# Altium PCB CM_PCB.PcbDoc (part 3 of 7) (continued)
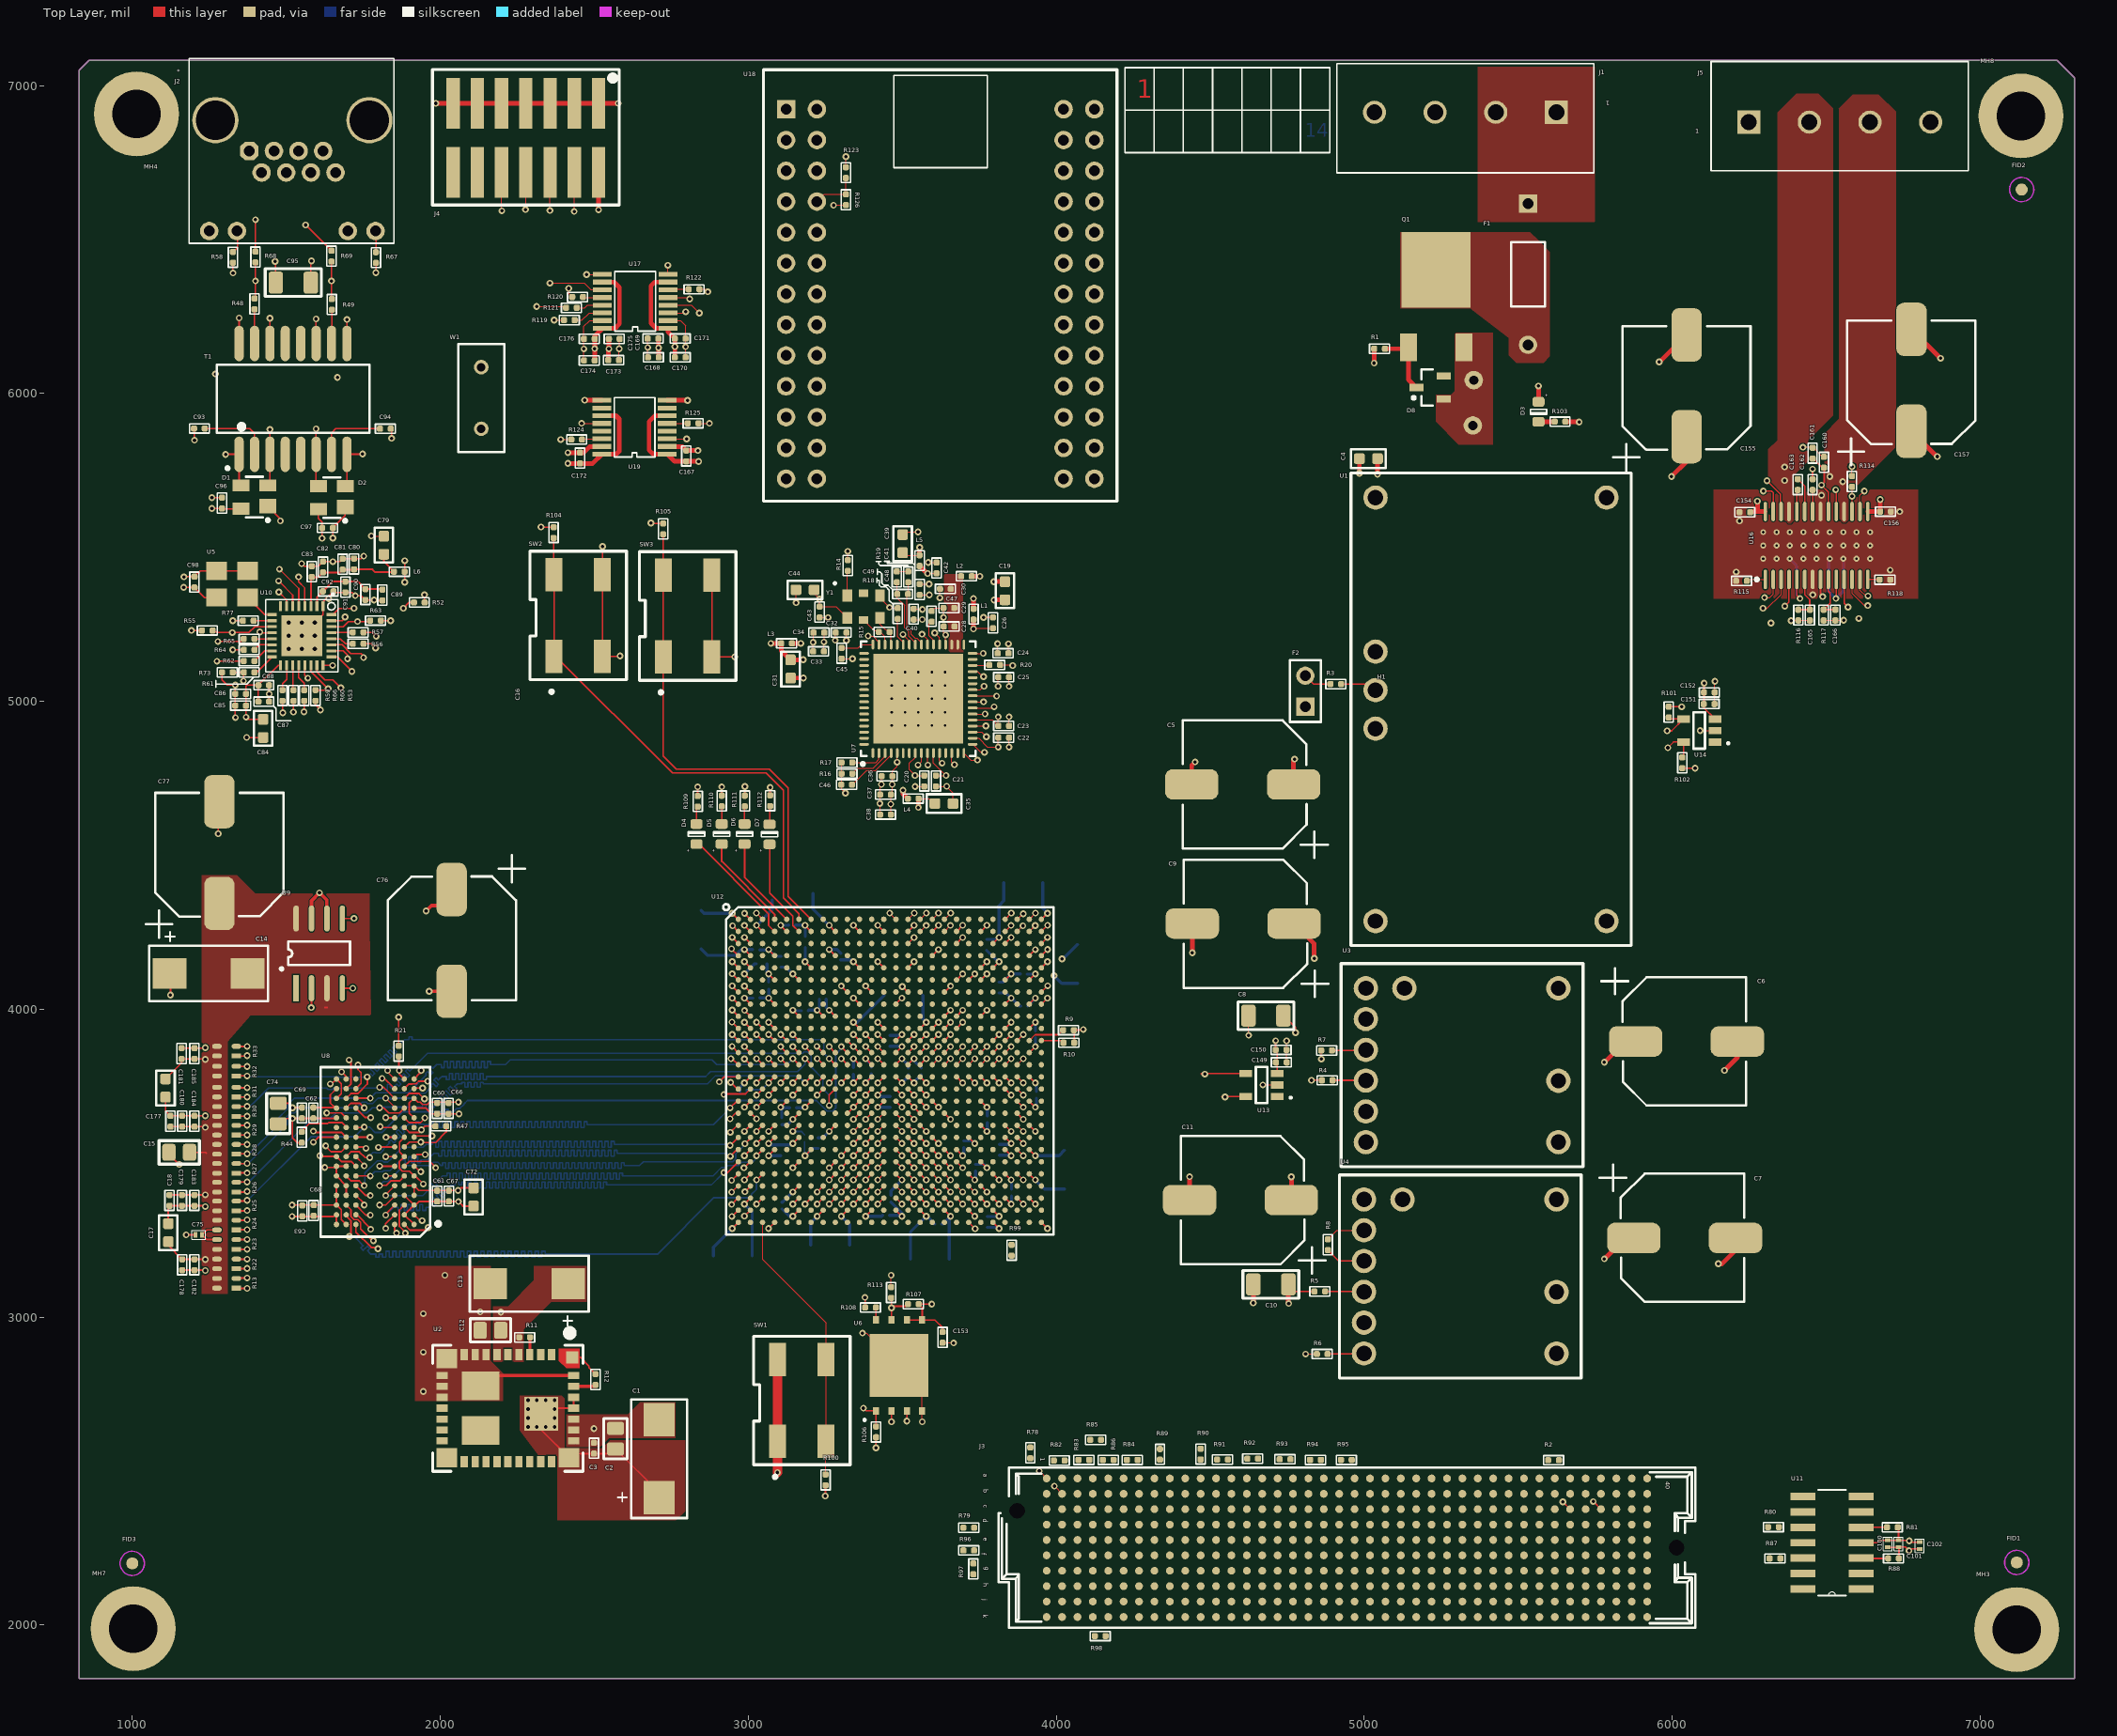
[diagram p0: Top Layer view]
## Nets (pads, with @x,y where several pads share a name; then routed paths per layer and width w, separated by ;. In a path a pad name is that pad's centre, name@x,y a point inside that pad or via, vN(x,y) a via of type N, cw(c..) or ccw(c..) an arc to the next point about the centre after c; other vN are vias at no path point) (continued)
DDR_CK_N: R24.1 U8.K7 U12.R3 | length 2446.1
  Top Layer w4: v1(3026.87,3721.05) U12.R3@3046.56,3740.74
  Top Layer w5: R24.1@1343,3284 v2(1373,3284)
  Top Layer w5.5: U8.K7@1726.01,3586.75 U8.K7@1726.01,3584.24 1772.24,3584.24 v2(1772,3584)
  HS2 w5: v2@1364.5,3283 v2@1364.5,3284 ; v2(1373,3284) 1384,3284 1572,3472 1572,3542 1580.63,3550.63 1580.75,3550.5 1597.32,3550.5 1597.82,3551 1600.25,3551 1610.5,3561.25 1610.5,3563.25 1620.75,3573.5 1635.25,3573.5 1637.25,3571.5 1747.13,3571.5 1760.63,3585 1761.63,3584 v2(1772,3584) 1791.1,3584 1808.6,3566.5 1813.6,3566.5 1823.6,3566.5 1833.6,3566.5 1833.6,3569.24 1843.6,3569.24 1843.6,3566.5 1853.6,3566.5 1853.6,3576.36 1863.6,3576.36 1863.6,3566.5 1873.6,3566.5 1873.6,3576.36 1883.6,3576.36 1883.6,3566.5 1893.6,3566.5 1903.6,3566.5 1909.76,3566.5 1913.3,3570.04 1920.37,3577.11 1927.44,3584.18 1933.26,3590 1949.9,3590 1967.9,3608 1972.9,3608 1982.9,3608 1982.9,3617.86 1992.9,3617.86 1992.9,3608 1992.9,3598.14 2002.9,3598.14 2002.9,3608 2002.9,3617.86 2012.9,3617.86 2012.9,3608 2012.9,3598.14 2022.9,3598.14 2022.9,3608 2022.9,3617.86 2032.9,3617.86 2032.9,3608 2032.9,3598.14 2042.9,3598.14 2042.9,3608 2042.9,3617.86 2052.9,3617.86 2052.9,3608 2052.9,3598.14 2062.9,3598.14 2062.9,3608 2062.9,3617.86 2072.9,3617.86 2072.9,3608 2072.9,3598.14 2082.9,3598.14 2082.9,3608 2082.9,3617.86 2092.9,3617.86 2092.9,3608 2092.9,3598.14 2102.9,3598.14 2102.9,3608 2102.9,3617.86 2112.9,3617.86 2112.9,3608 2112.9,3598.14 2122.9,3598.14 2122.9,3608 2122.9,3617.86 2132.9,3617.86 2132.9,3608 2132.9,3598.14 2142.9,3598.14 2142.9,3608 2142.9,3617.86 2152.9,3617.86 2152.9,3608 2152.9,3598.14 2162.9,3598.14 2162.9,3608 2162.9,3617.86 2172.9,3617.86 2172.9,3608 2214,3608 2921,3608 2930.5,3617.5 2939.6,3617.5 2969.75,3647.65 2969.75,3689.04 2980.15,3699.43 3005.25,3699.43 v1(3026.87,3721.05)
DDR_CK_P: R23.2 U8.J7 U12.R4 | length 2444.1
  Top Layer w4: v1(3066.24,3721.05) U12.R4@3085.93,3740.74
  Top Layer w5.5: R23.2@1342,3251.5 v2@1364.75,3251.5 ; v2@1365.25,3252 v2@1364.75,3251.5 ; v2@1373,3251.5 v2@1364.75,3251.5 ; U8.J7@1726.01,3550.25 U8.J7@1726.01,3552.75 1754.25,3552.75 v2(1759,3548)
  HS2 w5.5: v2@1364.75,3252 v2@1367.75,3255 ; v2@1373,3251.5 1380.5,3251.5 1591.25,3462.25 1591.25,3531.35 1601.65,3541.75 1616.35,3541.75 1621.85,3536.25 1747.25,3536.25 v2(1759,3548) 1766.1,3548 1780.85,3533.25 1806.35,3533.25 1816.75,3543.65 1816.75,3545.65 1822.25,3545.65 1822.25,3555.65 1833.25,3555.65 1833.25,3545.65 1833.25,3535.65 1844.25,3535.65 1844.25,3545.65 1844.25,3555.65 1855.25,3555.65 1855.25,3545.65 1855.25,3535.65 1866.25,3535.65 1866.25,3545.65 1866.25,3555.65 1877.25,3555.65 1877.25,3545.65 1877.25,3535.65 1888.25,3535.65 1888.25,3545.65 1888.25,3555.65 1899.25,3555.65 1899.25,3545.65 1899.25,3535.65 1910.25,3535.65 1910.25,3545.65 1910.25,3555.65 1921.25,3555.65 1921.25,3545.65 1932.25,3545.65 1939.11,3545.65 1944.47,3551 1949.97,3551 1960.97,3551 1960.97,3542.69 1971.97,3542.69 1971.97,3551 1971.97,3561 1982.97,3561 1982.97,3551 1982.97,3541 1993.97,3541 1993.97,3551 1993.97,3561 2004.97,3561 2004.97,3551 2004.97,3541.02 2015.97,3541.02 2015.97,3551 2015.97,3561 2026.97,3561 2026.97,3551 2026.97,3541.07 2037.97,3541.07 2037.97,3551 2037.97,3561 2048.97,3561 2048.97,3551 2048.97,3541.07 2059.97,3541.07 2059.97,3551 2059.97,3561 2070.97,3561 2070.97,3551 2124,3551 2133.52,3551 2167.77,3582.25 2949.35,3582.25 2959.75,3592.65 2959.75,3603.75 3019.93,3663.93 3034.23,3663.93 3066.24,3695.95 v1(3066.24,3721.05)
  other v2: 1373,3252
DDR_CKE: R25.1 U8.K9 U12.M9 | length 2615.9
  Top Layer w4: v1(3263.09,3878.54) U12.M9@3282.78,3858.85
  Top Layer w5.5: v2(1588,3568) 1604.24,3584.24 U8.K9@1663.02,3584.24
  Top Layer w6: R25.1@1341,3345 v2@1365,3345 ; v2@1366,3346 v2@1365,3345 ; v2@1378,3345 v2@1365,3345
  DIFF_SE1 w6: v2(1373,3346) 1379,3346 1588,3555 v2(1588,3568) 1616,3596 1632,3596 1765,3729 1794.54,3729 1795.54,3728 1810.46,3728 1811.46,3729 1891.46,3729 1946.46,3784 1968,3784 2004,3820 2010,3820 2022,3820 2022,3810.18 2034,3810.18 2034,3820 2034,3829.82 2046,3829.82 2046,3820 2046,3810.18 2058,3810.18 2058,3820 2058,3829.82 2070,3829.82 2070,3820 2070,3810.18 2082,3810.18 2082,3820 2082,3829.82 2094,3829.82 2094,3820 2094,3810.18 2106,3810.18 2106,3820 2106,3829.82 2118,3829.82 2118,3820 2118,3810.18 2130,3810.18 2130,3820 2130,3829.82 2142,3829.82 2142,3820 2142,3810.18 2154,3810.18 2154,3820 2154,3829.82 2166,3829.82 2166,3820 2166,3810.18 2178,3810.18 2178,3820 2178,3829.82 2190,3829.82 2190,3820 2190,3810.18 2202,3810.18 2202,3820 2202,3829.82 2214,3829.82 2214,3820 2214,3810.18 2226,3810.18 2226,3820 2307,3820 3230.01,3820 3245.09,3835.08 3245.09,3847.09 3263.09,3865.09 v1(3263.09,3878.54)
DDR_DQ0: U8.E3 U12.Y3 | length 2515.6
  Top Layer w4: v1(3026.87,3524.2) U12.Y3@3046.56,3543.89
  Top Layer w5.5: v2(1823,3395) 1823,3397.77 U8.E3@1851.99,3426.76
  Bottom Layer w5: v2@1820.5,3392.5 v2(1823,3395) 1944,3395 1966.5,3417.5 1970.04,3421.04 1963.21,3427.86 1970.28,3434.93 1977.11,3428.11 1983.93,3421.28 1991.01,3428.35 1984.18,3435.18 1977.35,3442.01 1984.42,3449.08 1991.25,3442.25 1998.08,3435.42 2005.15,3442.49 1998.32,3449.32 2005.39,3456.39 2007,3458 2012,3458 2022,3458 2022,3467.66 2032,3467.66 2032,3458 2032,3448.34 2042,3448.34 2042,3458 2042,3467.66 2052,3467.66 2052,3458 2052,3448.34 2062,3448.34 2062,3458 2062,3467.66 2072,3467.66 2072,3458 2072,3448.34 2082,3448.34 2082,3458 2082,3467.66 2092,3467.66 2092,3458 2092,3448.34 2102,3448.34 2102,3458 2102,3467.66 2112,3467.66 2112,3458 2112,3448.34 2122,3448.34 2122,3458 2122,3467.66 2132,3467.66 2132,3458 2132,3448.34 2142,3448.34 2142,3458 2142,3467.66 2152,3467.66 2152,3458 2152,3448.34 2162,3448.34 2162,3458 2162,3467.66 2172,3467.66 2172,3458 2172,3448.34 2182,3448.34 2182,3458 2182,3467.66 2192,3467.66 2192,3458 2192,3448.34 2202,3448.34 2202,3458 2202,3467.66 2212,3467.66 2212,3458 2212,3448.34 2222,3448.34 2222,3458 2222,3467.66 2232,3467.66 2232,3458 2232,3448.34 2242,3448.34 2242,3458 2242,3467.66 2252,3467.66 2252,3458 2252,3448.34 2262,3448.34 2262,3458 2262,3467.66 2272,3467.66 2272,3458 2272,3448.34 2282,3448.34 2282,3458 2282,3467.66 2292,3467.66 2292,3458 2292,3448.34 2302,3448.34 2302,3458 2302,3467.66 2312,3467.66 2312,3458 2312,3448.34 2322,3448.34 2322,3458 2322,3467.66 2332,3467.66 2332,3458 2332,3448.34 2342,3448.34 2342,3458 2342,3467.66 2352,3467.66 2352,3458 2352,3448.34 2362,3448.34 2362,3458 2362,3467.66 2372,3467.66 2372,3458 2372,3448.34 2382,3448.34 2382,3458 2382,3467.66 2392,3467.66 2392,3458 2392,3448.34 2402,3448.34 2402,3458 2402,3467.66 2412,3467.66 2412,3458 2412,3448.34 2422,3448.34 2422,3458 2422,3467.66 2432,3467.66 2432,3458 2432,3448.34 2442,3448.34 2442,3458 2442,3467.66 2452,3467.66 2452,3458 2452,3448.34 2462,3448.34 2462,3458 2462,3467.66 2472,3467.66 2472,3458 2472,3448.34 2482,3448.34 2482,3458 2482,3467.66 2492,3467.66 2492,3458 2492,3448.34 2502,3448.34 2502,3458 2502,3467.66 2512,3467.66 2512,3458 2512,3448.34 2522,3448.34 2522,3458 2522,3467.66 2532,3467.66 2532,3458 2532,3448.34 2542,3448.34 2542,3458 2542,3467.66 2552,3467.66 2552,3458 2552,3448.34 2562,3448.34 2562,3458 2562,3467.66 2572,3467.66 2572,3458 2572,3448.34 2582,3448.34 2582,3458 2582,3467.66 2592,3467.66 2592,3458 2608,3458 2885.25,3458 2913.75,3486.5 2928.25,3486.5 2934,3492.25 2968.5,3492.25 2978.75,3502.5 3013.75,3502.5 3026.87,3515.62 v1(3026.87,3524.2)
DDR_DQ1: U8.F7 U12.Y1 | length 2516
  Top Layer w5.5: U8.F7@1726.01,3458.26 v2@1773,3458.26 ; v2(2942,3522) 2963.89,3543.89 U12.Y1@2967.82,3543.89
  Bottom Layer w5: v2@1770.5,3455.5 v2(1773,3458) 1787.5,3472.5 1812.75,3472.5 1815.75,3475.5 1836.5,3475.5 1871.5,3510.5 1876.5,3510.5 1886.5,3510.5 1886.5,3501 1896.5,3501 1896.5,3510.5 1896.5,3520.5 1906.5,3520.5 1906.5,3510.5 1906.5,3501 1916.5,3501 1916.5,3510.5 1916.5,3520.5 1926.5,3520.5 1926.5,3510.5 1926.5,3501 1936.5,3501 1936.5,3510.5 1946.5,3510.5 1951,3510.5 1958.25,3510.5 1979.75,3532 1984.75,3532 1994.75,3532 1994.75,3522.26 2004.75,3522.26 2004.75,3532 2004.75,3541.74 2014.75,3541.74 2014.75,3532 2014.75,3522.26 2024.75,3522.26 2024.75,3532 2024.75,3541.74 2034.75,3541.74 2034.75,3532 2034.75,3522.26 2044.75,3522.26 2044.75,3532 2044.75,3541.74 2054.75,3541.74 2054.75,3532 2054.75,3522.26 2064.75,3522.26 2064.75,3532 2064.75,3541.74 2074.75,3541.74 2074.75,3532 2074.75,3522.26 2084.75,3522.26 2084.75,3532 2084.75,3541.74 2094.75,3541.74 2094.75,3532 2094.75,3522.26 2104.75,3522.26 2104.75,3532 2104.75,3541.74 2114.75,3541.74 2114.75,3532 2114.75,3522.26 2124.75,3522.26 2124.75,3532 2124.75,3541.74 2134.75,3541.74 2134.75,3532 2134.75,3522.26 2144.75,3522.26 2144.75,3532 2144.75,3541.74 2154.75,3541.74 2154.75,3532 2154.75,3522.26 2164.75,3522.26 2164.75,3532 2164.75,3541.74 2174.75,3541.74 2174.75,3532 2174.75,3522.26 2184.75,3522.26 2184.75,3532 2184.75,3541.74 2194.75,3541.74 2194.75,3532 2194.75,3522.26 2204.75,3522.26 2204.75,3532 2204.75,3541.74 2214.75,3541.74 2214.75,3532 2214.75,3522.26 2224.75,3522.26 2224.75,3532 2224.75,3541.74 2234.75,3541.74 2234.75,3532 2234.75,3522.26 2244.75,3522.26 2244.75,3532 2244.75,3541.74 2254.75,3541.74 2254.75,3532 2254.75,3522.26 2264.75,3522.26 2264.75,3532 2264.75,3541.74 2274.75,3541.74 2274.75,3532 2274.75,3522.26 2284.75,3522.26 2284.75,3532 2284.75,3541.74 2294.75,3541.74 2294.75,3532 2294.75,3522.26 2304.75,3522.26 2304.75,3532 2304.75,3541.74 2314.75,3541.74 2314.75,3532 2314.75,3522.26 2324.75,3522.26 2324.75,3532 2324.75,3541.74 2334.75,3541.74 2334.75,3532 2334.75,3522.26 2344.75,3522.26 2344.75,3532 2344.75,3541.74 2354.75,3541.74 2354.75,3532 2354.75,3522.26 2364.75,3522.26 2364.75,3532 2364.75,3541.74 2374.75,3541.74 2374.75,3532 2374.75,3522.26 2384.75,3522.26 2384.75,3532 2384.75,3541.74 2394.75,3541.74 2394.75,3532 2394.75,3522.26 2404.75,3522.26 2404.75,3532 2404.75,3541.74 2414.75,3541.74 2414.75,3532 2414.75,3522.26 2424.75,3522.26 2424.75,3532 2424.75,3541.74 2434.75,3541.74 2434.75,3532 2434.75,3522.26 2444.75,3522.26 2444.75,3532 2444.75,3541.74 2454.75,3541.74 2454.75,3532 2454.75,3522.26 2464.75,3522.26 2464.75,3532 2464.75,3541.74 2474.75,3541.74 2474.75,3532 2474.75,3522.26 2484.75,3522.26 2484.75,3532 2484.75,3541.74 2494.75,3541.74 2494.75,3532 2494.75,3522.26 2504.75,3522.26 2504.75,3532 2504.75,3541.74 2514.75,3541.74 2514.75,3532 2514.75,3522.26 2524.75,3522.26 2524.75,3532 2524.75,3541.74 2534.75,3541.74 2534.75,3532 2534.75,3522.26 2544.75,3522.26 2544.75,3532 2544.75,3541.74 2554.75,3541.74 2554.75,3532 2554.75,3522.26 2564.75,3522.26 2564.75,3532 2564.75,3541.74 2574.75,3541.74 2574.75,3532 2611,3532 2932,3532 v2(2942,3522)
DDR_DQ2: U8.F2 U12.W2 | length 2513
  Top Layer w5.5: v2(1803,3427) 1804,3428 1825,3428 1839.37,3442.37 1867.6,3442.37 U8.F2@1883.49,3458.26 ; v2(2989,3563) 3007.19,3581.19 U12.W2@3007.19,3583.26
  Bottom Layer w5: v2(1803,3427) 1816.5,3440.5 1830.25,3440.5 1881.75,3492 1967.5,3492 1967.5,3492.25 1977.75,3502.5 1992.25,3502.5 2002.5,3492.25 2002.5,3492 2007.5,3492 2007.5,3501.57 2017.5,3501.57 2017.5,3492 2017.5,3482.43 2027.5,3482.43 2027.5,3492 2027.5,3501.57 2037.5,3501.57 2037.5,3492 2037.5,3482.43 2047.5,3482.43 2047.5,3492 2047.5,3501.57 2057.5,3501.57 2057.5,3492 2057.5,3482.43 2067.5,3482.43 2067.5,3492 2067.5,3501.57 2077.5,3501.57 2077.5,3492 2077.5,3482.43 2087.5,3482.43 2087.5,3492 2087.5,3501.57 2097.5,3501.57 2097.5,3492 2097.5,3482.43 2107.5,3482.43 2107.5,3492 2107.5,3501.57 2117.5,3501.57 2117.5,3492 2117.5,3482.43 2127.5,3482.43 2127.5,3492 2127.5,3501.57 2137.5,3501.57 2137.5,3492 2137.5,3482.43 2147.5,3482.43 2147.5,3492 2147.5,3501.57 2157.5,3501.57 2157.5,3492 2157.5,3482.43 2167.5,3482.43 2167.5,3492 2167.5,3501.57 2177.5,3501.57 2177.5,3492 2177.5,3482.43 2187.5,3482.43 2187.5,3492 2187.5,3501.57 2197.5,3501.57 2197.5,3492 2197.5,3482.43 2207.5,3482.43 2207.5,3492 2207.5,3501.57 2217.5,3501.57 2217.5,3492 2217.5,3482.43 2227.5,3482.43 2227.5,3492 2227.5,3501.57 2237.5,3501.57 2237.5,3492 2237.5,3482.43 2247.5,3482.43 2247.5,3492 2247.5,3501.57 2257.5,3501.57 2257.5,3492 2257.5,3482.43 2267.5,3482.43 2267.5,3492 2267.5,3501.57 2277.5,3501.57 2277.5,3492 2277.5,3482.43 2287.5,3482.43 2287.5,3492 2287.5,3501.57 2297.5,3501.57 2297.5,3492 2297.5,3482.43 2307.5,3482.43 2307.5,3492 2307.5,3501.57 2317.5,3501.57 2317.5,3492 2317.5,3482.43 2327.5,3482.43 2327.5,3492 2327.5,3501.57 2337.5,3501.57 2337.5,3492 2337.5,3482.43 2347.5,3482.43 2347.5,3492 2347.5,3501.57 2357.5,3501.57 2357.5,3492 2357.5,3482.43 2367.5,3482.43 2367.5,3492 2367.5,3501.57 2377.5,3501.57 2377.5,3492 2377.5,3482.43 2387.5,3482.43 2387.5,3492 2387.5,3501.57 2397.5,3501.57 2397.5,3492 2397.5,3482.43 2407.5,3482.43 2407.5,3492 2407.5,3501.57 2417.5,3501.57 2417.5,3492 2417.5,3482.43 2427.5,3482.43 2427.5,3492 2427.5,3501.57 2437.5,3501.57 2437.5,3492 2437.5,3482.43 2447.5,3482.43 2447.5,3492 2447.5,3501.57 2457.5,3501.57 2457.5,3492 2457.5,3482.43 2467.5,3482.43 2467.5,3492 2467.5,3501.57 2477.5,3501.57 2477.5,3492 2477.5,3482.43 2487.5,3482.43 2487.5,3492 2487.5,3501.57 2497.5,3501.57 2497.5,3492 2497.5,3482.43 2507.5,3482.43 2507.5,3492 2507.5,3501.57 2517.5,3501.57 2517.5,3492 2517.5,3482.43 2527.5,3482.43 2527.5,3492 2527.5,3501.57 2537.5,3501.57 2537.5,3492 2537.5,3482.43 2547.5,3482.43 2547.5,3492 2547.5,3501.57 2557.5,3501.57 2557.5,3492 2557.5,3482.43 2567.5,3482.43 2567.5,3492 2567.5,3501.57 2577.5,3501.57 2577.5,3492 2577.5,3482.43 2587.5,3482.43 2587.5,3492 2587.5,3501.57 2597.5,3501.57 2597.5,3492 2647,3492 2659.5,3504.5 2949.25,3504.5 2959.5,3514.75 2959.5,3530.5 2989,3560 v2(2989,3563)
DDR_DQ3: U8.F8 U12.W1 | length 2514.5
  Top Layer w5.5: U8.F8@1694.51,3458.26 1710.4,3442.37 1737.63,3442.37 v2(1753,3427) ; v2(2941,3558) 2942.56,3558 U12.W1@2967.82,3583.26
  Bottom Layer w5: v2(1753,3427) 1755.5,3429.5 1755.5,3467.25 1795.75,3507.5 1811.75,3507.5 1815.75,3503.5 1830.25,3503.5 1840.5,3513.75 1840.5,3514.5 1878,3552 1928.89,3552 1929.75,3551.14 1944.25,3551.14 1954.11,3561 1970,3561 1975,3561 1975,3570.24 1985,3570.24 1985,3561 1985,3551.38 1995,3551.38 1995,3561 1995,3570.62 2005,3570.62 2005,3561 2005,3551.38 2015,3551.38 2015,3561 2015,3570.62 2025,3570.62 2025,3561 2025,3551.38 2035,3551.38 2035,3561 2035,3570.62 2045,3570.62 2045,3561 2045,3551.38 2055,3551.38 2055,3561 2055,3570.62 2065,3570.62 2065,3561 2065,3551.38 2075,3551.38 2075,3561 2075,3570.62 2085,3570.62 2085,3561 2085,3551.38 2095,3551.38 2095,3561 2095,3570.62 2105,3570.62 2105,3561 2105,3551.38 2115,3551.38 2115,3561 2115,3570.62 2125,3570.62 2125,3561 2125,3551.38 2135,3551.38 2135,3561 2135,3570.62 2145,3570.62 2145,3561 2145,3551.38 2155,3551.38 2155,3561 2155,3570.62 2165,3570.62 2165,3561 2165,3551.38 2175,3551.38 2175,3561 2175,3570.62 2185,3570.62 2185,3561 2185,3551.38 2195,3551.38 2195,3561 2195,3570.62 2205,3570.62 2205,3561 2205,3551.38 2215,3551.38 2215,3561 2215,3570.62 2225,3570.62 2225,3561 2225,3551.38 2235,3551.38 2235,3561 2235,3570.62 2245,3570.62 2245,3561 2245,3551.38 2255,3551.38 2255,3561 2255,3570.62 2265,3570.62 2265,3561 2265,3551.38 2275,3551.38 2275,3561 2275,3570.62 2285,3570.62 2285,3561 2285,3551.38 2295,3551.38 2295,3561 2295,3570.62 2305,3570.62 2305,3561 2305,3551.38 2315,3551.38 2315,3561 2315,3570.62 2325,3570.62 2325,3561 2325,3551.38 2335,3551.38 2335,3561 2335,3570.62 2345,3570.62 2345,3561 2345,3551.38 2355,3551.38 2355,3561 2355,3570.62 2365,3570.62 2365,3561 2365,3551.38 2375,3551.38 2375,3561 2375,3570.62 2385,3570.62 2385,3561 2385,3551.38 2395,3551.38 2395,3561 2395,3570.62 2405,3570.62 2405,3561 2405,3551.38 2415,3551.38 2415,3561 2415,3570.62 2425,3570.62 2425,3561 2425,3551.38 2435,3551.38 2435,3561 2435,3570.62 2445,3570.62 2445,3561 2445,3551.38 2455,3551.38 2455,3561 2455,3570.62 2465,3570.62 2465,3561 2465,3551.38 2475,3551.38 2475,3561 2475,3570.62 2485,3570.62 2485,3561 2485,3551.38 2495,3551.38 2495,3561 2495,3570.62 2505,3570.62 2505,3561 2505,3551.38 2515,3551.38 2515,3561 2515,3570.62 2525,3570.62 2525,3561 2525,3551.38 2535,3551.38 2535,3561 2535,3570.62 2545,3570.62 2545,3561 2545,3551.38 2555,3551.38 2555,3561 2555,3570.62 2565,3570.62 2565,3561 2753,3561 2938,3561 v2(2941,3558)
DDR_DQ4: U8.H3 U12.T3 | length 2686.3
  Top Layer w4: v1(3026.87,3681.68) U12.T3@3046.56,3701.37
  Top Layer w5.5: v2@1830,3521.25 U8.H3@1851.99,3521.25
  HS1 w5: v2(1823,3521) 1916.25,3521 1919.79,3524.54 1926.86,3531.61 1928.68,3529.79 1935.75,3536.86 1933.93,3538.68 1928.58,3544.02 1935.65,3551.09 1941,3545.75 1943.02,3543.73 1950.09,3550.8 1948.07,3552.82 1955.14,3559.89 1962.21,3566.96 1965.75,3570.5 1970.75,3570.5 1980.75,3570.5 1980.75,3560.65 1990.75,3560.65 1990.75,3570.5 1990.75,3580.35 2000.75,3580.35 2000.75,3570.5 2000.75,3560.65 2010.75,3560.65 2010.75,3570.5 2010.75,3580.35 2020.75,3580.35 2020.75,3570.5 2020.75,3560.65 2030.75,3560.65 2030.75,3570.5 2030.75,3580.35 2040.75,3580.35 2040.75,3570.5 2040.75,3560.65 2050.75,3560.65 2050.75,3570.5 2050.75,3580.35 2060.75,3580.35 2060.75,3570.5 2060.75,3560.65 2070.75,3560.65 2070.75,3570.5 2070.75,3580.35 2080.75,3580.35 2080.75,3570.5 2080.75,3560.65 2090.75,3560.65 2090.75,3570.5 2090.75,3580.35 2100.75,3580.35 2100.75,3570.5 2100.75,3560.65 2110.75,3560.65 2110.75,3570.5 2110.75,3580.35 2120.75,3580.35 2120.75,3570.5 2120.75,3560.65 2130.75,3560.65 2130.75,3570.5 2130.75,3580.35 2140.75,3580.35 2140.75,3570.5 2140.75,3560.65 2150.75,3560.65 2150.75,3570.5 2150.75,3580.35 2160.75,3580.35 2160.75,3570.5 2160.75,3560.65 2170.75,3560.65 2170.75,3570.5 2170.75,3580.35 2180.75,3580.35 2180.75,3570.5 2180.75,3560.65 2190.75,3560.65 2190.75,3570.5 2190.75,3580.35 2200.75,3580.35 2200.75,3570.5 2200.75,3560.65 2210.75,3560.65 2210.75,3570.5 2210.75,3580.35 2220.75,3580.35 2220.75,3570.5 2220.75,3560.65 2230.75,3560.65 2230.75,3570.5 2230.75,3580.35 2240.75,3580.35 2240.75,3570.5 2240.75,3560.65 2250.75,3560.65 2250.75,3570.5 2250.75,3580.35 2260.75,3580.35 2260.75,3570.5 2260.75,3560.65 2270.75,3560.65 2270.75,3570.5 2270.75,3580.35 2280.75,3580.35 2280.75,3570.5 2280.75,3560.65 2290.75,3560.65 2290.75,3570.5 2290.75,3580.35 2300.75,3580.35 2300.75,3570.5 2300.75,3560.65 2310.75,3560.65 2310.75,3570.5 2310.75,3580.35 2320.75,3580.35 2320.75,3570.5 2320.75,3560.65 2330.75,3560.65 2330.75,3570.5 2330.75,3580.35 2340.75,3580.35 2340.75,3570.5 2340.75,3560.65 2350.75,3560.65 2350.75,3570.5 2350.75,3580.35 2360.75,3580.35 2360.75,3570.5 2360.75,3560.65 2370.75,3560.65 2370.75,3570.5 2370.75,3580.35 2380.75,3580.35 2380.75,3570.5 2380.75,3560.65 2390.75,3560.65 2390.75,3570.5 2390.75,3580.35 2400.75,3580.35 2400.75,3570.5 2400.75,3560.65 2410.75,3560.65 2410.75,3570.5 2410.75,3580.35 2420.75,3580.35 2420.75,3570.5 2420.75,3560.65 2430.75,3560.65 2430.75,3570.5 2430.75,3580.35 2440.75,3580.35 2440.75,3570.5 2440.75,3560.65 2450.75,3560.65 2450.75,3570.5 2450.75,3580.35 2460.75,3580.35 2460.75,3570.5 2460.75,3560.65 2470.75,3560.65 2470.75,3570.5 2470.75,3580.35 2480.75,3580.35 2480.75,3570.5 2480.75,3560.65 2490.75,3560.65 2490.75,3570.5 2490.75,3580.35 2500.75,3580.35 2500.75,3570.5 2500.75,3560.65 2510.75,3560.65 2510.75,3570.5 2510.75,3580.35 2520.75,3580.35 2520.75,3570.5 2520.75,3560.65 2530.75,3560.65 2530.75,3570.5 2530.75,3580.35 2540.75,3580.35 2540.75,3570.5 2540.75,3560.65 2550.75,3560.65 2550.75,3570.5 2550.75,3580.35 2560.75,3580.35 2560.75,3570.5 2560.75,3560.65 2570.75,3560.65 2570.75,3570.5 2570.75,3580.35 2580.75,3580.35 2580.75,3570.5 2580.75,3560.65 2590.75,3560.65 2590.75,3570.5 2590.75,3580.35 2600.75,3580.35 2600.75,3570.5 2600.75,3560.65 2610.75,3560.65 2610.75,3570.5 2610.75,3580.35 2620.75,3580.35 2620.75,3570.5 2620.75,3560.65 2630.75,3560.65 2630.75,3570.5 2630.75,3580.35 2640.75,3580.35 2640.75,3570.5 2640.75,3560.65 2650.75,3560.65 2650.75,3570.5 2650.75,3580.35 2660.75,3580.35 2660.75,3570.5 2710,3570.5 2711.5,3570.5 2802.5,3661.5 2951.5,3661.5 2952,3662 3007.19,3662 v1(3026.87,3681.68)
DDR_DQ5: U8.H8 U12.T1 | length 2512.8
  Top Layer w5.5: U8.H8@1694.51,3521.25 1710.12,3536.86 1737.14,3536.86 1756,3518 v2(1771,3518) ; v2(2941,3679.23) 2963.14,3701.37 U12.T1@2967.82,3701.37
  Bottom Layer w5: v2(1771,3518) 1771,3524 1781.5,3534.5 1790.75,3534.5 1791.75,3533.5 1806.25,3533.5 1816.5,3543.75 1816.5,3546.5 1832,3562 1835.54,3565.54 1832.91,3568.16 1839.98,3575.23 1842.61,3572.61 1849.68,3565.54 1856.75,3572.61 1849.68,3579.68 1842.61,3586.75 1849.68,3593.82 1856.75,3586.75 1863.82,3579.68 1870.89,3586.75 1863.82,3593.82 1856.75,3600.89 1863.82,3607.96 1870.89,3600.89 1877.96,3593.82 1885.03,3600.89 1877.96,3607.96 1870.89,3615.03 1877.96,3622.1 1885.03,3615.03 1892.1,3622.1 1895.8,3625.8 1900.8,3625.8 1910.8,3625.8 1910.8,3615.8 1920.8,3615.8 1920.8,3625.8 1920.8,3635.8 1930.8,3635.8 1930.8,3625.8 1940.8,3625.8 1946.09,3625.8 1946.89,3625 1962,3625 1967,3625 1967,3634.56 1977,3634.56 1977,3625 1977,3615.44 1987,3615.44 1987,3625 1987,3634.56 1997,3634.56 1997,3625 1997,3615.44 2007,3615.44 2007,3625 2007,3634.56 2017,3634.56 2017,3625 2017,3615.44 2027,3615.44 2027,3625 2027,3634.56 2037,3634.56 2037,3625 2037,3615.44 2047,3615.44 2047,3625 2047,3634.56 2057,3634.56 2057,3625 2057,3615.44 2067,3615.44 2067,3625 2067,3634.56 2077,3634.56 2077,3625 2077,3615.44 2087,3615.44 2087,3625 2087,3634.56 2097,3634.56 2097,3625 2097,3615.44 2107,3615.44 2107,3625 2107,3634.56 2117,3634.56 2117,3625 2117,3615.44 2127,3615.44 2127,3625 2127,3634.56 2137,3634.56 2137,3625 2137,3615.44 2147,3615.44 2147,3625 2147,3634.56 2157,3634.56 2157,3625 2157,3615.44 2167,3615.44 2167,3625 2167,3634.56 2177,3634.56 2177,3625 2177,3615.44 2187,3615.44 2187,3625 2187,3634.56 2197,3634.56 2197,3625 2197,3615.44 2207,3615.44 2207,3625 2207,3634.56 2217,3634.56 2217,3625 2217,3615.44 2227,3615.44 2227,3625 2227,3634.56 2237,3634.56 2237,3625 2237,3615.44 2247,3615.44 2247,3625 2247,3634.56 2257,3634.56 2257,3625 2257,3615.44 2267,3615.44 2267,3625 2267,3634.56 2277,3634.56 2277,3625 2277,3615.44 2287,3615.44 2287,3625 2287,3634.56 2297,3634.56 2297,3625 2297,3615.44 2307,3615.44 2307,3625 2307,3634.56 2317,3634.56 2317,3625 2317,3615.44 2327,3615.44 2327,3625 2327,3634.56 2337,3634.56 2337,3625 2337,3615.44 2347,3615.44 2347,3625 2347,3634.56 2357,3634.56 2357,3625 2357,3615.44 2367,3615.44 2367,3625 2367,3634.56 2377,3634.56 2377,3625 2377,3615.44 2387,3615.44 2387,3625 2387,3634.56 2397,3634.56 2397,3625 2397,3615.44 2407,3615.44 2407,3625 2407,3634.56 2417,3634.56 2417,3625 2417,3615.44 2427,3615.44 2427,3625 2427,3634.56 2437,3634.56 2437,3625 2437,3615.44 2447,3615.44 2447,3625 2447,3634.56 2457,3634.56 2457,3625 2457,3615.44 2467,3615.44 2467,3625 2467,3634.56 2477,3634.56 2477,3625 2631,3625 2886.77,3625 v2(2941,3679.23)
DDR_DQ6: U8.G2 U12.U2 | length 2532.2
  Top Layer w5.5: U8.G2@1883.49,3489.76 1899.38,3505.64 1966.36,3505.64 1986,3486 v2(1985,3485) ; U12.U2@3007.19,3662 3009,3662 v2(3027,3644)
  HS2 w5.5: v2(1985,3485) 1990.5,3485 2001.5,3485 2001.5,3475 2012.5,3475 2012.5,3485 2012.5,3495 2023.5,3495 2023.5,3485 2023.5,3475 2034.5,3475 2034.5,3485 2034.5,3495 2045.5,3495 2045.5,3485 2045.5,3475 2056.5,3475 2056.5,3485 2056.5,3495 2067.5,3495 2067.5,3485 2067.5,3475 2078.5,3475 2078.5,3485 2078.5,3495 2089.5,3495 2089.5,3485 2089.5,3475 2100.5,3475 2100.5,3485 2100.5,3495 2111.5,3495 2111.5,3485 2111.5,3475 2122.5,3475 2122.5,3485 2122.5,3495 2133.5,3495 2133.5,3485 2133.5,3475 2144.5,3475 2144.5,3485 2144.5,3495 2155.5,3495 2155.5,3485 2155.5,3475 2166.5,3475 2166.5,3485 2166.5,3495 2177.5,3495 2177.5,3485 2177.5,3475 2188.5,3475 2188.5,3485 2188.5,3495 2199.5,3495 2199.5,3485 2199.5,3475 2210.5,3475 2210.5,3485 2210.5,3495 2221.5,3495 2221.5,3485 2221.5,3475 2232.5,3475 2232.5,3485 2232.5,3495 2243.5,3495 2243.5,3485 2243.5,3475 2254.5,3475 2254.5,3485 2254.5,3495 2265.5,3495 2265.5,3485 2265.5,3475 2276.5,3475 2276.5,3485 2276.5,3495 2287.5,3495 2287.5,3485 2287.5,3475 2298.5,3475 2298.5,3485 2298.5,3495 2309.5,3495 2309.5,3485 2309.5,3475 2320.5,3475 2320.5,3485 2320.5,3495 2331.5,3495 2331.5,3485 2331.5,3475 2342.5,3475 2342.5,3485 2342.5,3495 2353.5,3495 2353.5,3485 2353.5,3475 2364.5,3475 2364.5,3485 2364.5,3495 2375.5,3495 2375.5,3485 2375.5,3475 2386.5,3475 2386.5,3485 2386.5,3495 2397.5,3495 2397.5,3485 2397.5,3475 2408.5,3475 2408.5,3485 2408.5,3495 2419.5,3495 2419.5,3485 2419.5,3475 2430.5,3475 2430.5,3485 2430.5,3495 2441.5,3495 2441.5,3485 2441.5,3475 2452.5,3475 2452.5,3485 2452.5,3495 2463.5,3495 2463.5,3485 2463.5,3475 2474.5,3475 2474.5,3485 2474.5,3495 2485.5,3495 2485.5,3485 2485.5,3475 2496.5,3475 2496.5,3485 2496.5,3495 2507.5,3495 2507.5,3485 2507.5,3475 2518.5,3475 2518.5,3485 2518.5,3495 2529.5,3495 2529.5,3485 2529.5,3475 2540.5,3475 2540.5,3485 2540.5,3495 2551.5,3495 2551.5,3485 2551.5,3475 2562.5,3475 2562.5,3485 2562.5,3495 2573.5,3495 2573.5,3485 2573.5,3475 2584.5,3475 2584.5,3485 2584.5,3495 2595.5,3495 2595.5,3485 2595.5,3475 2606.5,3475 2606.5,3485 2606.5,3495 2617.5,3495 2617.5,3485 2623,3485 2842,3485 2859.75,3502.75 3030.52,3502.75 3044.62,3516.85 3044.62,3527.69 3062.76,3545.82 3073.6,3545.82 3087,3559.23 3087,3614 3058,3643 3028,3643 v2(3027,3644)